# Altium PCB HIVE_BOARD.PcbDoc (part 7 of 9) (continued)
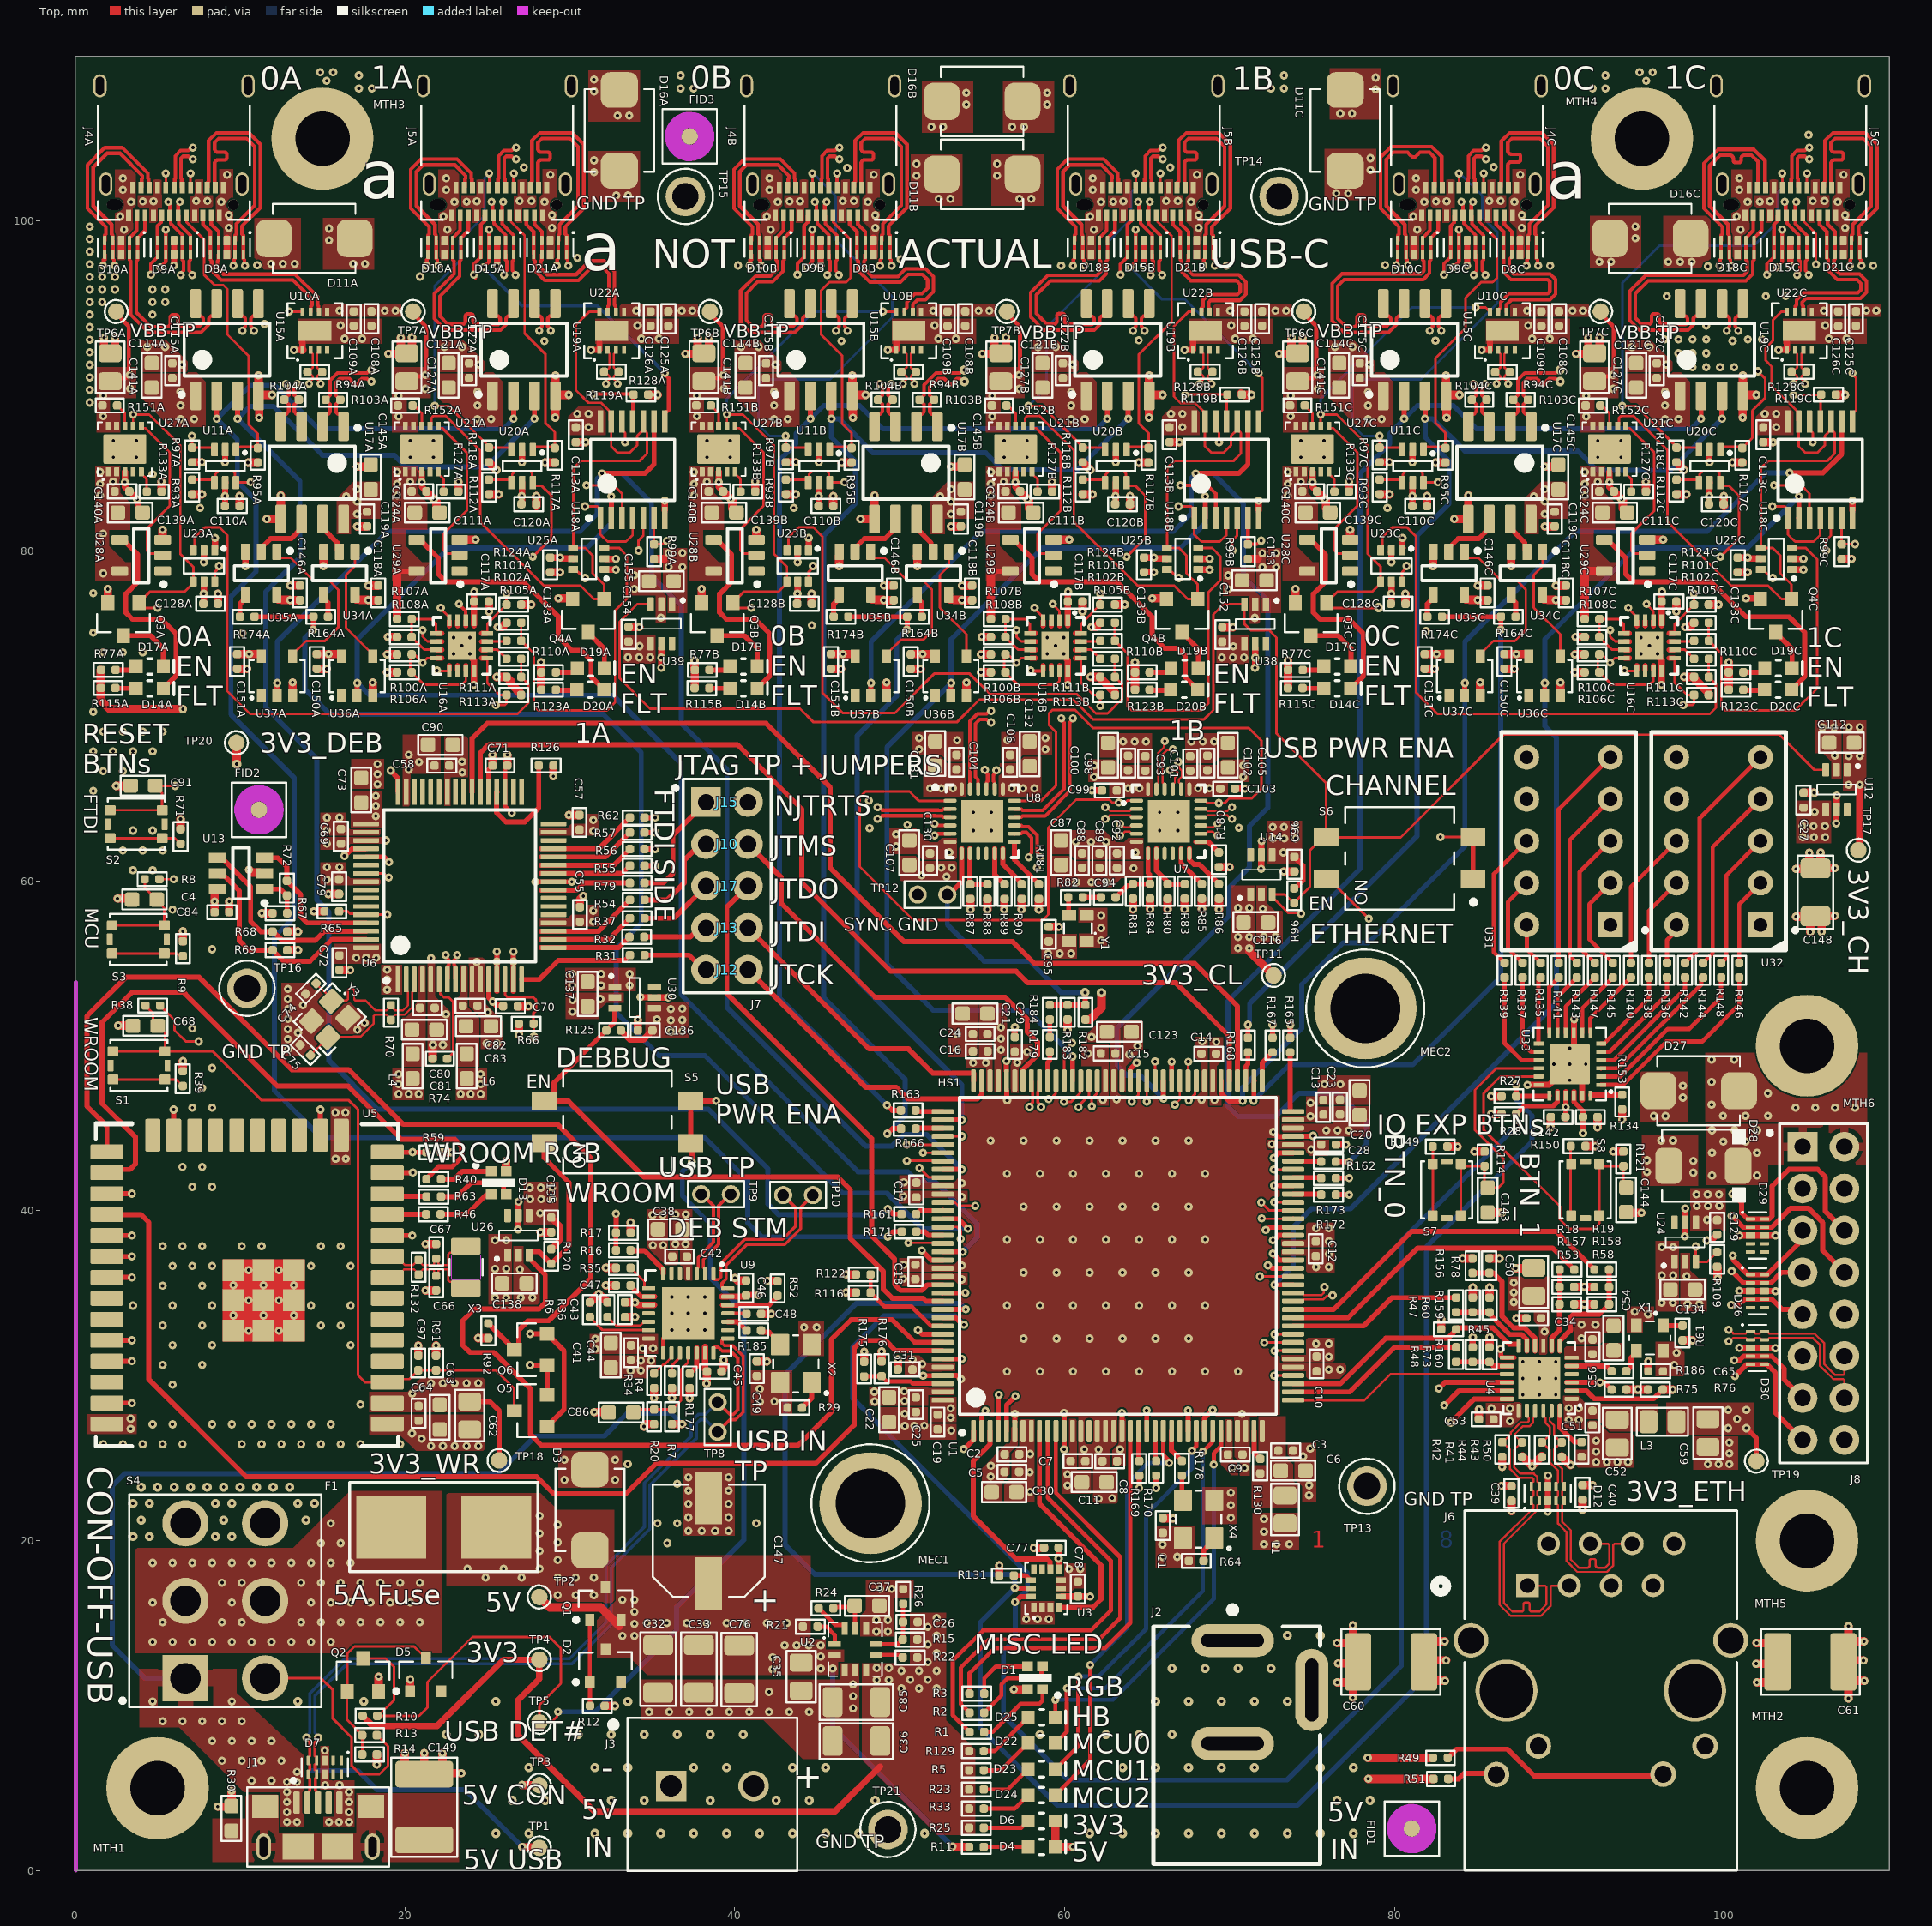
[diagram p0: Top view]
## Nets (pads, with @x,y where several pads share a name; then routed paths per layer and width w, separated by ;. In a path a pad name is that pad's centre, name@x,y a point inside that pad or via, vN(x,y) a via of type N, cw(c..) or ccw(c..) an arc to the next point about the centre after c; other vN are vias at no path point) (continued)
  Top w0.152: R35.2@33.684,36.54 34.517,35.707 34.517,35.35 34.566,35.302 U9.8@34.778,35.302
NetR36_2: R36.2 U9.12 | length 2.8
  Top w0.152: R36.2@32.276,33.558 32.801,33.033 34.266,33.033 34.503,33.27 U9.12@34.778,33.27
NetR37_2: R37.2 U6.18 | length 5.9
  Top w0.305: U6.18@28.242,56.452 U6.18@28.989,56.452 ; U6.18@29.001,56.452 32.35,56.452 R37.2@33.639,57.741
NetR38_2: R38.2 U1.2 | length 65.5
  Top w0.152: R38.2@5.156,52.439 6.034,51.561 6.034,50.945 6.716,50.263 v1(7.49,50.263)
  Top w0.305: U1.2@54.976,26.639 54.979,26.642 54.979,27.593 55.192,27.806 v1(55.192,27.873)
  Signal_1 w0.152: v1(7.49,50.263) 8.209,50.263 13.918,44.555 16.025,44.555 17.285,43.295 17.285,41.468 19.678,39.075 20.965,39.075 24.129,35.912 38.717,35.912 39.494,36.69 47.231,36.69 48.742,35.179 51.079,35.179 55.192,31.066 v1(55.192,27.873)
NetR39_2: R39.2 S1.1 S1.2 | length 4.4
  Top w0.152: S1.2@2.305,47.955 S1.1@5.455,47.955 6.139,47.955 R39.2@6.53,47.565
NetR45_1: R45.1 U1.39 U4.12 | length 15.5
  Top w0.305: U1.39@73.851,29.514 76.711,29.514 79.464,32.268 83.228,32.268 83.742,32.783 83.742,32.817 83.819,32.893 85.96,32.893 86.938,31.915 U4.12@87.492,31.915
NetR47_2: R47.2 U1.46 | length 10.6
  Top w0.305: U1.46@73.851,33.014 78.125,33.014 79.845,34.734 R47.2@83.721,34.734
NetR48_2: R48.2 U1.38 | length 11
  Top w0.305: U1.38@73.851,29.014 77.284,29.014 79.996,31.726 R48.2@83.721,31.726
NetR50_2: R50.2 U4.24 | length 3
  Top w0.305: U4.24@90.019,28.186 90.019,26.851 90.888,25.983 91.233,25.983 91.242,25.974 R50.2@91.335,25.974
NetR52_2: R52.2 U9.26 | length 3.6
  Top w0.305: U9.26@39.25,34.286 U9.26@39.579,34.286 42.081,34.286 42.494,34.699 42.494,34.746 R52.2@42.596,34.848
NetR54_2: R54.2 U6.19 | length 6.2
  Top w0.305: U6.19@28.242,56.952 U6.19@28.989,56.952 ; U6.19@29.001,56.952 31.74,56.952 31.862,57.074 R54.2@33.639,58.851
NetR55_1: R55.1 U5.16 | length 32.6
  Top w0.305: U5.16@14.877,44.579 v1@14.877,46.124 ; R55.1@34.524,60.922 v1(35.176,60.922)
  Signal_1 w0.152: v1(14.87,46.131) 14.87,46.168 20.828,52.127 20.828,58.946 22.804,60.922 v1(35.176,60.922)
NetR55_2: R55.2 U6.26 | length 5.6
  Top w0.305: U6.26@28.242,60.452 U6.26@28.989,60.452 ; U6.26@29.001,60.452 33.166,60.452 R55.2@33.635,60.922
NetR56_1: R56.1 R59.2 U5.14 | length 32.3
  Top w0.305: U5.14@18.932,43.579 18.964,43.546 R59.2@21.308,43.546 ; R59.2@21.311,43.546 R59.2@21.308,43.546 ; R59.2@21.311,43.55 R59.2@21.308,43.546 ; R56.1@34.524,61.933 v1(35.176,61.933)
  Signal_1 w0.152: v1(20.466,43.558) 21.511,44.602 24.745,44.602 28.487,48.344 28.487,55.824 29.674,57.011 33.804,57.011 35.799,59.007 35.799,61.31 v1(35.176,61.933)
NetR56_2: R56.2 U6.27 | length 5.8
  Top w0.305: U6.27@28.242,60.952 U6.27@28.989,60.952 ; U6.27@29.001,60.952 32.655,60.952 R56.2@33.635,61.933
NetR57_1: R57.1 U5.23 | length 43.2
  Top w0.305: U5.23@5.987,44.579 v1@5.987,46.124 ; R57.1@34.524,62.933 v1(35.176,62.933)
  Signal_1 w0.152: v1(5.98,46.131) 7.176,47.327 7.176,49.468 6.446,50.199 6.446,53.782 7.881,55.217 15.238,55.217 21.954,61.933 34.175,61.933 v1(35.176,62.933)
NetR57_2: R57.2 U6.28 | length 6
  Top w0.305: U6.28@28.242,61.452 U6.28@28.989,61.452 ; U6.28@29.001,61.452 32.154,61.452 R57.2@33.635,62.933
NetR61_2: R61.2 X1.1 | length 1.2
  Top w0.305: X1.1@96.272,33.011 96.284,33.023 97.446,33.023 R61.2@97.458,33.035
NetR62_1: R62.1 U5.13 | length 36.2
  Top w0.305: U5.13@18.925,42.302 U5.13@18.932,42.309 v1@20.477,42.309 ; R62.1@34.524,63.843 v1(35.176,63.843)
  Signal_1 w0.152: v1(20.484,42.316) 24.24,42.316 29.356,47.432 29.356,54.89 30.005,55.539 34.773,55.539 36.872,57.638 36.872,62.146 v1(35.176,63.843)
NetR62_2: R62.2 U6.29 | length 6.2
  Top w0.305: U6.29@28.242,61.952 U6.29@28.989,61.952 ; U6.29@29.001,61.952 31.745,61.952 R62.2@33.635,63.843
NetR65_1: R65.1 U1.127 U6.60 | length 61.6
  Top w0.152: R65.1@16.009,58.155 16.022,58.168 16.516,58.168 16.667,58.016 17.578,58.016 U6.60@17.641,57.952 17.646,57.957 18.933,57.957 v1(18.938,57.962)
  Top w0.305: v1(51.335,37.589) 51.907,37.017 52.599,37.017 U1.127@52.601,37.014
  Signal_1 w0.152: v1(18.938,57.962) 19.693,57.207 19.693,52.635 15.517,48.459 14.252,47.194 14.252,45.854 14.69,45.416 17.219,45.416 18.118,44.517 18.118,42.009 19.91,40.217 21.722,40.217 24.88,37.06 37.97,37.06 38.499,37.589 v1(51.335,37.589)
NetR67_1: R67.1 R72.2 U13.1 | length 2.6
  Top w0.305: U13.1@11.486,59.506 12.455,59.506 R72.2@12.844,59.116 12.853,59.107 12.853,58.05 R67.1@12.863,58.04
NetR71_2: R71.2 S2.1 S2.2 | length 4.4
  Top w0.152: S2.2@2.133,62.59 S2.1@5.283,62.59 6.056,62.59 R71.2@6.397,62.249
NetR74_2: R74.2 U6.6 | length 5.5
  Top w0.152: U6.6@22.071,54.022 22.133,53.961 22.133,53.166 22.358,52.941 22.649,52.941 22.936,52.654 22.936,49.59 R74.2@22.564,49.217
NetR79_2: R79.2 U6.24 | length 5.6
  Top w0.305: U6.24@28.254,59.44 U6.24@29.001,59.44 ; U6.24@29.014,59.44 29.715,59.44 30.408,59.44 30.847,59.879 R79.2@33.635,59.879
NetR80_1: R80.1 R83.2 U7.8 | length 3.4
  Top w0.305: U7.8@65.554,61.965 U7.8@65.554,61.663 65.554,60.624 R80.1@66.299,59.878 ; R80.1@66.238,59.817 66.242,59.812 67.268,59.812 R83.2@67.274,59.819
NetR82_2: R82.2 Y1.3 | length 1.1
  Top w0.305: R82.2@60.21,59.003 60.244,58.969 60.244,57.959 Y1.3@60.278,57.925
NetR85_1: R85.1 U7.11 | length 2.7
  Top w0.305: U7.11@67.054,61.965 U7.11@67.054,61.663 67.054,61.062 67.602,60.514 67.613,60.514 68.209,59.919 R85.1@68.311,59.817
NetR86_1: R86.1 U7.12 | length 3.1
  Top w0.305: U7.12@67.554,61.965 67.554,61.275 67.831,60.998 68.166,60.998 69.245,59.919 R86.1@69.347,59.817
NetR87_1: R87.1 R88.2 U8.8 | length 3.2
  Top w0.305: R87.1@54.254,59.802 U8.8@54.254,61.663 U8.8@54.254,61.965 ; R87.1@54.275,59.802 R87.1@54.275,59.802 R88.2@55.315,59.804 R88.2@55.315,59.804
NetR89_1: R89.1 U8.11 | length 2.4
  Top w0.305: U8.11@55.754,61.965 U8.11@55.754,61.663 55.754,60.393 56.243,59.903 R89.1@56.345,59.802
NetR90_1: R90.1 U8.12 | length 2.6
  Top w0.305: U8.12@56.254,61.965 56.254,61.015 57.28,59.989 57.28,59.903 R90.1@57.381,59.802
NetR100A_2: R100A.2 R106A.1 U16A.4 U16A.6 U16A.8 U16A.11 | length 13.7
  Top w0.152: v1(21.075,75.208) 21.075,74.81 21.366,74.519 21.881,74.519 U16A.6@21.894,74.506 ; U16A.8@21.894,73.506 21.353,73.506 v1(21.075,73.228) 20.57,73.733 R100A.2@20.412,73.733 20.32,73.641 20.32,72.739 R106A.1@20.41,72.649 21.177,71.882 23.444,71.882 23.694,72.131 U16A.11@23.694,72.706 ; v1(22.174,76.556) 22.174,76.511 22.694,75.991 U16A.4@22.694,75.806
  Signal_2 w0.152: v1(21.075,73.228) v1(21.075,75.208) 21.075,76.045 21.585,76.556 v1(22.174,76.556)
NetR100B_2: R100B.2 R106B.1 U16B.4 U16B.6 U16B.8 U16B.11 | length 13.7
  Top w0.152: v1(57.075,75.208) 57.075,74.81 57.366,74.519 57.881,74.519 U16B.6@57.894,74.506 ; U16B.8@57.894,73.506 57.353,73.506 v1(57.075,73.228) 56.57,73.733 R100B.2@56.412,73.733 56.32,73.641 56.32,72.739 R106B.1@56.41,72.649 57.177,71.882 59.444,71.882 59.694,72.131 U16B.11@59.694,72.706 ; v1(58.174,76.556) 58.174,76.511 58.694,75.991 U16B.4@58.694,75.806
  Signal_2 w0.152: v1(57.075,73.228) v1(57.075,75.208) 57.075,76.045 57.585,76.556 v1(58.174,76.556)
NetR100C_2: R100C.2 R106C.1 U16C.4 U16C.6 U16C.8 U16C.11 | length 13.7
  Top w0.152: v1(93.075,75.208) 93.075,74.81 93.366,74.519 93.881,74.519 U16C.6@93.894,74.506 ; U16C.8@93.894,73.506 93.353,73.506 93.075,73.228 92.57,73.733 R100C.2@92.412,73.733 92.32,73.641 92.32,72.739 R106C.1@92.41,72.649 93.177,71.882 95.444,71.882 95.694,72.131 U16C.11@95.694,72.706 ; v1(94.174,76.556) 94.174,76.511 94.694,75.991 U16C.4@94.694,75.806
  Signal_2 w0.152: v1(93.066,73.228) 93.066,75.199 v1(93.075,75.208) 93.075,76.045 93.585,76.556 v1(94.174,76.556)
NetR102A_1: R102A.1 U16A.15 | length 1.2
  Top w0.152: U16A.15@25.006,74.519 26.12,74.519 R102A.1@26.158,74.557
NetR102B_1: R102B.1 U16B.15 | length 1.2
  Top w0.152: U16B.15@61.006,74.519 62.12,74.519 R102B.1@62.158,74.557
NetR102C_1: R102C.1 U16C.15 | length 1.2
  Top w0.152: U16C.15@97.006,74.519 98.12,74.519 R102C.1@98.158,74.557
NetR105A_1: R105A.1 U16A.14 | length 1.4
  Top w0.152: U16A.14@25.003,74.016 25.604,74.016 R105A.1@26.158,73.461
NetR105B_1: R105B.1 U16B.14 | length 1.4
  Top w0.152: U16B.14@61.003,74.016 61.604,74.016 R105B.1@62.158,73.461
NetR105C_1: R105C.1 U16C.14 | length 1.4
  Top w0.152: U16C.14@97.003,74.016 97.604,74.016 R105C.1@98.158,73.461
NetR107A_2: R107A.2 R108A.2 U16A.5 U16A.7 | length 5.1
  Top w0.152: U16A.7@21.894,74.006 21.881,74.019 21.174,74.019 20.942,74.251 R108A.2@20.41,74.783 20.413,74.787 20.413,75.871 R107A.2@20.417,75.874 21.597,75.874 21.894,75.578 U16A.5@21.894,75.006
NetR107B_2: R107B.2 R108B.2 U16B.5 U16B.7 | length 5.1
  Top w0.152: U16B.7@57.894,74.006 57.881,74.019 57.174,74.019 56.942,74.251 R108B.2@56.41,74.783 56.413,74.787 56.413,75.871 R107B.2@56.417,75.874 57.597,75.874 57.894,75.578 U16B.5@57.894,75.006
NetR107C_2: R107C.2 R108C.2 U16C.5 U16C.7 | length 5.1
  Top w0.152: U16C.7@93.894,74.006 93.881,74.019 93.174,74.019 92.942,74.251 R108C.2@92.41,74.783 92.413,74.787 92.413,75.871 R107C.2@92.417,75.874 93.597,75.874 93.894,75.578 U16C.5@93.894,75.006
NetR116_2: R116.2 R122.1 U1.135 | length 6.3
  Top w0.254: R122.1@48.23,36.135 R116.2@48.23,35.043 49.073,34.2 50.712,34.2 51.875,33.037 52.578,33.037 U1.135@52.601,33.014
NetR126_1: R126.1 U6.36 | length 7
  Top w0.305: U6.36@25.571,65.382 25.559,65.37 25.559,64.669 25.552,64.662 25.552,64.146 26.122,63.576 27.261,63.576 28.11,64.426 R126.1@28.11,66.995
NetR127A_1: R127A.1 U21A.5 | length 1.3
  Top w0.152: U21A.5@22.023,84.797 22.023,84.682 22.351,84.354 R127A.1@22.351,83.604
NetR127B_1: R127B.1 U21B.5 | length 1.3
  Top w0.152: U21B.5@58.023,84.797 58.023,84.682 58.351,84.354 R127B.1@58.351,83.604
NetR127C_1: R127C.1 U21C.5 | length 1.3
  Top w0.152: U21C.5@94.023,84.797 94.023,84.682 94.351,84.354 R127C.1@94.351,83.604
NetR130_2: R130.2 U1.35 | length 1.8
  Top w0.305: U1.35@71.476,26.639 71.476,25.343 R130.2@71.854,24.965
NetR133A_1: R133A.1 U27A.5 | length 1.3
  Top w0.152: U27A.5@4.023,84.797 4.023,84.682 4.351,84.354 R133A.1@4.351,83.604
NetR133B_1: R133B.1 U27B.5 | length 1.2
  Top w0.152: U27B.5@40.023,84.682 40.351,84.354 R133B.1@40.351,83.604
NetR133C_1: R133C.1 U27C.5 | length 1.3
  Top w0.152: U27C.5@76.023,84.797 76.023,84.682 76.351,84.354 R133C.1@76.351,83.604
NetR135_2: R135.2 U31.10 | length 2.7
  Top w0.254: U31.10@88.008,57.33 88.008,55.872 R135.2@88.854,55.027
NetR136_2: R136.2 U32.10 | length 2.5
  Top w0.254: R136.2@96.517,55.027 96.517,56.403 97.104,56.99 U32.10@97.104,57.33
NetR137_2: R137.2 U31.9 | length 5.7
  Top w0.254: R137.2@87.759,55.027 86.865,55.92 86.865,58.727 U31.9@88.008,59.87
NetR138_2: R138.2 U32.9 | length 5.5
  Top w0.254: R138.2@95.423,55.027 95.423,58.188 U32.9@97.104,59.87
NetR139_2: R139.2 U31.8 | length 8.5
  Top w0.254: R139.2@86.664,55.027 86.025,55.666 86.025,60.427 U31.8@88.008,62.41
NetR140_2: R140.2 U32.8 | length 8.5
  Top w0.254: R140.2@94.328,55.027 94.328,59.634 U32.8@97.104,62.41
NetR141_2: R141.2 U31.5 | length 13.8
  Top w0.254: R141.2@89.949,55.027 89.949,64.35 U31.5@93.088,67.49
NetR142_2: R142.2 U32.5 | length 14.4
  Top w0.254: R142.2@97.612,55.027 98.501,55.915 98.501,63.807 U32.5@102.184,67.49
NetR143_2: R143.2 U31.4 | length 11.1
  Top w0.254: R143.2@91.043,55.027 90.609,55.461 90.609,62.471 U31.4@93.088,64.95
NetR144_2: R144.2 U32.4 | length 11.4
  Top w0.254: R144.2@98.707,55.027 99.289,55.609 99.289,62.055 U32.4@102.184,64.95
NetR145_2: R145.2 U31.2 | length 6
  Top w0.254: U31.2@93.088,59.87 91.804,58.585 91.804,56.456 R145.2@93.233,55.027
NetR146_2: R146.2 U32.2 | length 5.4
  Top w0.254: R146.2@100.897,55.027 100.897,58.583 U32.2@102.184,59.87
NetR147_2: R147.2 U31.3 | length 8.5
  Top w0.254: R147.2@92.138,55.027 91.216,55.948 91.216,60.538 U31.3@93.088,62.41
NetR148_2: R148.2 U32.3 | length 8.4
  Top w0.254: R148.2@99.802,55.027 100.11,55.334 100.11,60.335 U32.3@102.184,62.41
NetR149_2: R149.2 S7.1 S7.2 | length 4.2
  Top w0.152: S7.1@82.31,39.705 82.314,39.705 R149.2@82.314,43.897
NetR150_2: R150.2 S8.1 S8.2 | length 4.2
  Top w0.152: R150.2@90.679,43.922 90.679,39.727 S8.1@90.707,39.699
NetR151A_2: R151A.2 U27A.8 | length 1.5
  Top w0.152: R151A.2@2.553,88.824 3.023,88.354 U27A.8@3.023,87.567
NetR151B_2: R151B.2 U27B.8 | length 1.5
  Top w0.152: R151B.2@38.553,88.824 39.023,88.354 U27B.8@39.023,87.567
NetR151C_2: R151C.2 U27C.8 | length 1.5
  Top w0.152: R151C.2@74.553,88.824 75.023,88.354 U27C.8@75.023,87.567
NetR152A_2: R152A.2 U21A.8 | length 1.5
  Top w0.152: R152A.2@20.553,88.824 21.023,88.354 U21A.8@21.023,87.567
NetR152B_2: R152B.2 U21B.8 | length 1.5
  Top w0.152: R152B.2@56.553,88.824 57.023,88.354 U21B.8@57.023,87.567
NetR152C_2: R152C.2 U21C.8 | length 1.5
  Top w0.152: R152C.2@92.553,88.824 93.023,88.354 U21C.8@93.023,87.567
NetR153_1: R153.1 U33.24 | length 1.9
  Top w0.305: U33.24@91.898,47.01 R153.1@93.775,47.01
  Top w0.381: R153.1@93.775,47.01 R153.1@93.799,47.034
NetR161_2: R161.2 U1.121 | length 1.7
  Top w0.305: R161.2@50.993,39.799 51.206,40.012 52.599,40.012 U1.121@52.601,40.014
NetR162_2: R162.2 U1.66 | length 1.7
  Top w0.305: U1.66@73.851,43.014 73.867,42.999 75.527,42.999 R162.2@75.543,42.983
NetR163_1: R163.1 U1.109 | length 1.7
  Top w0.305: R163.1@50.956,46.086 51.025,46.017 52.599,46.017 U1.109@52.601,46.014
NetR164A_1: R164A.1 U34A.4 | length 1.5
  Top w0.305: U34A.4@15.073,77.358 15.073,77.133 15.337,76.868 R164A.1@15.337,76.016
NetR164B_1: R164B.1 U34B.4 | length 1.5
  Top w0.305: U34B.4@51.073,77.358 51.073,77.133 51.337,76.868 R164B.1@51.337,76.016
NetR164C_1: R164C.1 U34C.4 | length 1.5
  Top w0.305: U34C.4@87.073,77.358 87.073,77.133 87.337,76.868 R164C.1@87.337,76.016
NetR165_1: R165.1 U4.17 | length 41.2
  Top w0.305: R165.1@73.672,50.486 73.675,50.489 73.675,51.278 v1(73.678,51.281) ; v1(83.013,28.201) 83.903,29.091 U4.17@86.801,29.091 U4.17@87.123,29.091
  Signal_1 w0.152: v1(73.678,51.281) 73.678,47.469 69.731,43.521 69.731,31.789 73.319,28.201 v1(83.013,28.201)
NetR165_2: R165.2 U1.72 | length 3.8
  Top w0.305: R165.2@73.672,49.597 73.672,46.017 73.675,46.014 U1.72@73.851,46.014
NetR166_1: R166.1 U1.111 | length 1.6
  Top w0.305: R166.1@50.996,45.014 U1.111@52.601,45.014
NetR167_1: R167.1 U4.18 | length 44.1
  Top w0.305: R167.1@72.599,50.486 v1@72.599,51.275 ; v1(83.401,27.158) 84.834,28.591 U4.18@86.801,28.591 U4.18@87.123,28.591
  Signal_1 w0.152: v1(72.602,51.278) 72.602,47.164 67.972,42.534 67.972,31.46 72.274,27.158 v1(83.401,27.158)
NetR167_2: R167.2 U1.73 | length 2
  Top w0.305: U1.73@71.976,47.889 71.976,48.975 R167.2@72.599,49.597
NetR168_2: R168.2 U1.75 | length 1.8
  Top w0.305: U1.75@70.976,47.889 70.979,47.892 70.979,48.757 71.108,48.886 R168.2@71.108,49.597
NetR169_1: R169.1 U5.30 | length 76.9
  Top w0.305: U5.30@1.932,37.229 v1(3.448,37.229) ; v1(64.51,23.195) 64.513,23.198 64.513,23.937 R169.1@64.516,23.939
  Signal_1 w0.152: v1(3.448,37.229) 2.928,36.709 2.928,33.987 7.442,29.473 15.412,29.473 20.562,24.323 33.041,24.323 34.316,23.047 34.316,20.382 35.778,18.92 53.565,18.92 56.453,21.809 63.123,21.809 v1(64.51,23.195)
NetR169_2: R169.2 U1.21 | length 1.8
  Top w0.305: U1.21@64.476,26.639 64.479,26.637 64.479,24.866 R169.2@64.516,24.828
NetR170_1: R170.1 U5.37 | length 70.5
  Top w0.305: U5.37@1.932,28.339 v1(3.448,28.339) ; v1@65.54,23.209 R170.1@65.54,23.948
  Signal_1 w0.152: v1(3.448,28.339) 15.477,28.339 20.204,23.612 28.541,23.612 33.863,18.29 54.44,18.29 57.218,21.068 63.399,21.068 v1(65.537,23.206)
NetR170_2: R170.2 U1.23 | length 1.8
  Top w0.305: U1.23@65.476,26.639 65.476,24.9 R170.2@65.54,24.837
NetR171_1: R171.1 U1.124 | length 1.7
  Top w0.305: R171.1@51.003,38.735 51.515,38.735 51.733,38.517 52.599,38.517 U1.124@52.601,38.514
NetR172_1: R172.1 U1.62 | length 1.7
  Top w0.305: U1.62@73.851,41.014 73.854,41.012 75.52,41.012 R172.1@75.552,40.98
NetR173_1: R173.1 U1.64 | length 1.7
  Top w0.305: U1.64@73.851,42.014 73.854,42.012 75.527,42.012 R173.1@75.552,41.986
NetR174A_1: R174A.1 U35A.4 | length 1.5
  Top w0.305: R174A.1@9.99,76.016 9.99,76.789 10.334,77.133 U35A.4@10.334,77.358
NetR174B_1: R174B.1 U35B.4 | length 1.5
  Top w0.305: R174B.1@45.99,76.016 45.99,76.789 46.334,77.133 U35B.4@46.334,77.358
NetR174C_1: R174C.1 U35C.4 | length 1.5
  Top w0.305: R174C.1@81.99,76.016 81.99,76.789 82.334,77.133 U35C.4@82.334,77.358
NetR175_1: R175.1 R176.1 U1.142 | length 5
  Top w0.254: R175.1@47.838,29.955 47.849,29.967 R176.1@48.899,29.967 ; R176.1@48.893,29.972 R176.1@48.899,29.967 ; R176.1@48.979,29.967 R176.1@48.899,29.967 ; U1.142@52.601,29.514 52.592,29.523 50.792,29.523 50.673,29.642 49.224,29.642 R176.1@48.899,29.967
NetR177_2: R177.2 U9.19 | length 1.7
  Top w0.305: R177.2@37.266,30.132 37.687,30.553 U9.19@37.687,31.377 U9.19@37.687,31.706
NetR178_1: R178.1 X4.3 | length 1.5
  Top w0.305: R178.1@67.101,23.948 67.101,22.522 X4.3@67.163,22.46
NetR178_2: R178.2 U1.25 | length 2.1
  Top w0.305: U1.25@66.476,26.639 66.476,25.462 R178.2@67.101,24.837
NetR179_1: R179.1 R184.2 | length 1.1
  Top w0.305: R179.1@59.101,50.527 R184.2@59.101,51.593
NetR179_2: R179.2 U1.99 | length 1.8
  Top w0.305: U1.99@58.976,47.889 58.976,48.99 59.101,49.115 R179.2@59.101,49.638
NetR180_1: R180.1 U7.13 | length 1.7
  Top w0.305: U7.13@67.952,62.363 U7.13@68.254,62.363 68.709,62.363 R180.1@69.347,61.725
NetR181_1: R181.1 U8.13 | length 3.2
  Top w0.305: U8.13@56.954,62.363 56.954,61.285 R181.1@58.438,59.802
NetR182_1: R182.1 R183.2 R184.1 TP12.1 U8.7 | length 18
  Top w0.305: TP12.1@52.882,59.171 52.973,59.171 53.754,59.952 U8.7@53.754,61.965 ; R184.1@59.101,52.482 R182.1@61.258,52.482 61.247,52.494 61.247,53.226 v2(61.235,53.237)
  Bottom w0.305: TP12.1@52.882,59.171 52.882,57.355 55.117,55.121 57.89,55.121 59.774,53.237 v2(61.235,53.237)
NetR185_1: R185.1 X2.3 | length 1.6
  Top w0.305: R185.1@41.595,32.741 41.697,32.639 42.088,32.639 42.751,31.976 X2.3@42.751,31.876
NetR185_2: R185.2 U9.24 | length 1.3
  Top w0.305: U9.24@39.579,33.27 40.177,33.27 R185.2@40.706,32.741
NetR186_1: R186.1 U4.5 | length 2.9
  Top w0.305: U4.5@90.425,30.591 U4.5@90.738,30.591 92.842,30.591 R186.1@93.156,30.277
NetR186_2: R186.2 X1.3 | length 1.5
  Top w0.305: R186.2@94.045,30.277 94.147,30.378 94.159,30.378 94.337,30.557 94.337,31.092 94.654,31.408 X1.3@94.654,31.508
NetU1_1: U1.1 U5.10 | length 47.9
  Top w0.305: U5.10@18.932,38.499 v1(20.448,38.499) ; v1(53.875,25.548) 53.905,25.548 54.476,26.119 U1.1@54.476,26.639
  Signal_1 w0.152: v1(20.448,38.499) 20.448,37.993 24.532,33.908 31.963,33.908 33.669,32.203 42.086,32.203 44.213,34.33 51.213,34.33 54.619,30.923 54.619,26.291 v1(53.875,25.548)
NetU1_22: U1.22 U5.31 | length 73.9
  Top w0.305: U5.31@1.932,35.959 v1(3.448,35.959) ; U1.22@64.974,26.642 v1@64.974,27.881
  Signal_1 w0.152: v1(3.448,35.959) 8.936,30.471 15.718,30.471 20.955,25.234 26.587,25.234 27.157,25.805 33.185,25.805 34.339,24.651 43.119,24.651 44.164,25.696 50.797,25.696 53.357,23.136 55.788,23.136 57.247,24.596 63.322,24.596 64.967,26.24 v1(64.967,27.888)
NetU1_29: U1.29 U4.13 | length 24.7
  Top w0.305: U1.29@68.474,26.642 U1.29@68.476,26.639 68.479,26.642 68.479,27.442 68.951,27.915 v1(68.961,27.915) ; v1(86.411,31.623) 86.448,31.586 86.448,31.199 86.556,31.091 87.232,31.091
  Signal_1 w0.152: v1(68.961,27.915) 70.724,26.152 83.434,26.152 84.315,27.033 84.315,29.528 v1(86.411,31.623)
NetU1_67: U1.67 U4.16 | length 30.1
  Top w0.305: v1(72.669,43.205) 72.976,43.512 73.849,43.512 U1.67@73.851,43.514 ; v1(82.681,29.224) 83.047,29.591 U4.16@86.801,29.591 U4.16@87.123,29.591
  Signal_1 w0.152: v1(72.669,43.205) 71.241,41.777 71.241,32.265 74.282,29.224 v1(82.681,29.224)
NetU1_76: U1.76 U6.39 | length 64.5
  Top w0.305: U6.39@24.071,65.382 24.071,68.634 24.991,69.554 41.895,69.554 45.789,65.66 45.789,60.785 50.26,56.314 56.845,56.314 58.164,54.996 67.885,54.996 70.476,52.404 U1.76@70.476,47.889
NetU1_77: U1.77 U6.38 | length 60.6
  Top w0.305: U6.38@24.571,65.382 24.571,67.755 25.075,68.259 40.158,68.259 44.062,64.355 44.062,59.909 49.44,54.531 57.05,54.531 57.764,53.817 66.741,53.817 69.976,50.582 U1.77@69.976,47.889
NetU1_136: U1.136 U5.29 | length 57.6
  Top w0.305: U5.29@1.932,38.499 v1(3.448,38.499) ; v1(51.103,32.769) 51.358,32.514 U1.136@52.601,32.514
  Signal_1 w0.152: v1(3.448,38.499) 11.335,38.499 19.042,30.792 19.042,29.666 20.484,28.225 34.023,28.225 36.103,30.304 45.694,30.304 48.159,32.769 v1(51.103,32.769)
NetU1_138: U1.138 U5.28 | length 70.1
  Top w0.305: U5.28@1.932,39.769 4.001,39.769 4.478,39.291 4.478,29.775 10.372,23.882 27.983,23.882 29.027,22.838 33.387,22.838 35.245,24.696 44.919,24.696 47.222,26.999 47.222,31.652 47.704,32.134 49.137,32.134 49.756,31.514 U1.138@52.601,31.514
NetU1_139: U1.139 U5.27 | length 60.3
  Top w0.305: U5.27@1.932,41.039 v1(3.448,41.039) ; U1.139@52.606,31.019 v1@53.772,31.019
  Signal_1 w0.152: v1(3.448,41.039) 3.932,40.555 11.317,40.555 21.286,30.586 25.536,30.586 26.445,29.677 34.39,29.677 36.164,31.451 45.05,31.451 47.013,33.413 51.372,33.413 v1(53.772,31.013)
NetU5_34: U5.34 U6.48 | length 62.5
  Top w0.305: U5.34@1.932,32.149 v1(3.448,32.149) ; v1@19.138,66.666 19.559,66.245 U6.48@19.559,65.395
  Signal_1 w0.152: v1(3.448,32.149) 4.235,31.362 4.235,30.016 3.654,29.436 2.937,29.436 0.781,31.591 0.781,63.221 5.145,67.585 18.75,67.585 19.138,67.197 v1(19.138,66.692)
NetU5_35: U5.35 U6.52 | length 55.1
  Top w0.305: U5.35@1.932,30.879 v1(3.448,30.879) ; v1(16.332,61.519) 16.358,61.519 16.779,61.94 U6.52@17.629,61.94
  Signal_1 w0.152: v1(3.448,30.879) 1.88,32.447 1.88,63.005 3.87,64.996 16.324,64.996 17.098,64.221 17.098,62.285 v1(16.332,61.519)
PHY_LED_1: J6.10 R75.2 U4.3 | length 72.6
  Top w0.305: U4.3@90.425,29.591 U4.3@90.738,29.591 92.723,29.591 R75.2@93.154,29.159
  Signal_2 w0.305: J6.10@88.715,7.544 96.373,7.544 98.775,5.142 98.775,3.301 101.275,0.801 107.703,0.801 109.193,2.291 109.193,23.174 107.664,24.703 102.324,24.703 100.998,23.377 98.81,23.377 98.042,24.145 98.042,29.378 97.507,29.913 92.778,29.913 v1(92.456,29.591)
PHY_LED_2: J6.12 R76.2 U4.2 | length 59.6
  Top w0.305: U4.2@90.425,29.091 U4.2@90.738,29.091 91.62,29.091 92.11,28.6 95.701,28.6 R76.2@96.254,29.154
  Top w0.508: R76.2@96.254,29.154 v1@96.868,29.154
  Signal_2 w0.305: v1@96.864,29.208 96.864,24.503 98.569,22.797 101.239,22.797 102.07,23.629 107.078,23.629 108.476,22.231 108.476,16.936 106.749,15.209 106.749,8.675 108.458,6.966 108.458,2.903 107.147,1.593 102.437,1.593 100.627,3.403 100.627,5.741 J6.12@98.825,7.544
  other v1: 96.868,29.149
PHY_nRST: U1.37 U4.15 | length 13.6
  Top w0.152: U1.37@73.851,28.514 78.172,28.514 79.748,30.091 U4.15@86.801,30.091
PHY_REFCLK: R48.1 R73.1 R160.2 U4.14 | length 3.5
  Top w0.305: R48.1@83.721,30.837 83.726,30.833 85.748,30.833 R160.2@85.752,30.829 85.99,30.591 U4.14@86.801,30.591 U4.14@87.123,30.591
PHYAD0: R78.2 R156.1 U4.10 | length 7.4
  Top w0.305: R156.1@84.725,36.223 84.728,36.226 R78.2@85.735,36.226 ; R78.2@85.738,36.228 R78.2@85.735,36.226 ; U4.10@88.519,31.496 U4.10@88.519,31.809 88.519,32.263 87.877,32.905 87.212,32.905 86.504,33.612 86.504,35.712 85.991,36.226 R78.2@85.735,36.226
SHIELD_USB: C149.2 J1.6 J1.7 J1.8 J1.9 J1.10 J1.11 R30.2
SPI_CLK_A: R171.2 U15A.2 U19A.2 | length 110.8
  Top w0.305: U15A.2@8.581,89.402 8.583,89.4 8.583,88.016 v1(8.585,88.014) ; U19A.2@26.581,89.402 U19A.2@26.581,89.402 26.583,88.016 v1(26.585,88.014) ; v1(49.274,38.424) v1@49.283,38.424 ; v1@49.332,38.424 v1@49.283,38.424 ; R171.2@50.114,38.735 50.112,38.733 49.591,38.733 v1@49.283,38.424
  Bottom w0.305: v1(26.585,88.014) 25.98,87.409 14.751,87.409 12.119,90.041 10.612,90.041 v1(8.585,88.014) 9.838,86.761 9.838,84.219 10.966,83.09 10.966,78.751 9.449,77.235 9.449,70.09 13.295,66.245 13.295,57.815 12.088,56.609 12.088,47.272 14.934,44.426 38.188,44.426 40.781,41.833 40.781,39.266 41.444,38.603 41.623,38.424 v1(49.274,38.424)
SPI_CLK_B: R163.2 U15B.2 U19B.2 | length 68.1
  Top w0.305: U15B.2@44.581,89.402 44.583,89.4 44.583,88.016 v1(44.585,88.014) ; v1(49.227,46.397) v1@49.235,46.397 ; v1@49.284,46.397 v1@49.235,46.397 ; R163.2@50.067,46.086 50.065,46.088 49.544,46.088 v1@49.235,46.397 ; U19B.2@62.581,89.402 62.583,89.4 62.583,88.016 v1(62.585,88.014)
  Bottom w0.305: v1(49.227,46.397) 42.711,52.913 42.711,85.498 43.713,86.499 43.713,87.122 44.585,87.994 v1(44.585,88.014) 45.388,88.817 47.553,88.817 48.962,87.409 61.98,87.409 v1(62.585,88.014)
SPI_CLK_C: R162.1 U15C.2 U19C.2 | length 81.7
  Top w0.305: R162.1@76.439,42.983 77.234,42.983 v1(77.243,42.974) ; U15C.2@80.581,89.402 U15C.2@80.581,89.402 80.583,88.016 v1(80.585,88.014) ; U19C.2@98.581,89.402 98.583,89.4 98.583,88.016 v1(98.585,88.014)
  Bottom w0.305: v1(77.243,42.974) 78.28,44.011 78.28,45.454 76.617,47.117 74.206,47.117 72.802,45.713 70.514,45.713 69.899,46.328 69.899,52.725 77.906,60.731 77.906,84.692 79.713,86.499 79.713,87.122 80.585,87.994 v1(80.585,88.014) 81.388,88.817 83.553,88.817 84.962,87.409 97.98,87.409 v1(98.585,88.014)
SPI_CS_0A: U34A.1 U36A.4 | length 7.2
  Top w0.152: U34A.1@16.973,79.958 16.973,79.092 16.434,78.553 16.434,75.351 18.044,73.74 U36A.4@18.044,73.615
SPI_CS_0B: U34B.1 U36B.4 | length 7.2
  Top w0.152: U34B.1@52.973,79.958 52.973,79.092 52.434,78.553 52.434,76.564 54.044,74.954 54.044,73.74 U36B.4@54.044,73.615
SPI_CS_0C: U34C.1 U36C.4 | length 7.2
  Top w0.152: U34C.1@88.973,79.958 88.973,79.092 88.434,78.553 88.434,76.564 90.044,74.954 90.044,73.74 U36C.4@90.044,73.615
SPI_CS_1A: U35A.1 U37A.4 | length 10.6
  Top w0.152: U35A.1@12.234,79.958 12.234,79.788 12.432,79.589 13.073,79.589 14.455,78.207 15.413,78.207 15.951,77.67 15.951,75.362 15.14,74.55 14.003,74.55 13.193,73.74 U37A.4@13.193,73.615
SPI_CS_1B: U35B.1 U37B.4 | length 10.8
  Top w0.152: U35B.1@48.234,79.958 48.234,79.788 48.432,79.589 49.073,79.589 50.455,78.207 51.413,78.207 51.951,77.67 51.951,75.145 51.432,74.626 50.079,74.626 49.392,73.939 49.193,73.74 U37B.4@49.193,73.615
SPI_CS_1C: U35C.1 U37C.4 | length 10.7
  Top w0.152: U35C.1@84.234,79.958 84.234,79.788 84.432,79.589 85.073,79.589 86.455,78.207 87.413,78.207 87.951,77.67 87.951,75.206 87.283,74.538 85.99,74.538 85.392,73.939 85.193,73.74 U37C.4@85.193,73.615
SPI_MISO_0A: U17A.7 U34A.2 | length 2.4
  Top w0.305: U17A.7@15.01,81.942 15.01,81.392 15.9,80.501 15.9,80.08 U34A.2@16.023,79.958
SPI_MISO_0B: U17B.7 U34B.2 | length 2.4
  Top w0.305: U17B.7@51.01,81.942 51.01,81.392 51.9,80.501 51.9,80.08 U34B.2@52.023,79.958
SPI_MISO_0C: U17C.7 U34C.2 | length 2.4
  Top w0.305: U17C.7@87.01,81.942 87.01,81.392 87.9,80.501 87.9,80.08 U34C.2@88.023,79.958
SPI_MISO_1A: U17A.6 U35A.2 | length 3.7
  Top w0.305: U35A.2@11.284,79.958 11.284,80.183 11.859,80.757 13.106,80.757 13.74,81.392 U17A.6@13.74,81.942
SPI_MISO_1B: U17B.6 U35B.2 | length 3.7
  Top w0.305: U35B.2@47.284,79.958 47.284,80.183 47.859,80.757 49.106,80.757 49.74,81.392 U17B.6@49.74,81.942
SPI_MISO_1C: U17C.6 U35C.2 | length 3.7
  Top w0.305: U35C.2@83.284,79.958 83.284,80.183 83.859,80.757 85.106,80.757 85.74,81.392 U17C.6@85.74,81.942
SPI_MISO_A: R164A.2 R174A.2 U1.122 | length 75.1
  Top w0.305: R174A.2@10.879,76.016 R164A.2@14.448,76.016 14.448,75.233 v1(14.43,75.233) ; U1.122@52.601,39.514 53.546,39.514 v1(54.142,38.918)
  Bottom w0.305: v1(14.43,75.233) 13.934,74.737 13.934,71.616 15.454,70.097 32.02,70.097 34.328,67.789 34.328,57.434 32.801,55.908 32.801,52.022 35.412,49.411 38.185,49.411 46.517,41.079 49.213,41.079 51.374,38.918 v1(54.142,38.918)
SPI_MISO_B: R164B.2 R174B.2 U1.110 | length 39.1
  Top w0.305: R174B.2@46.879,76.016 R164B.2@50.448,76.016 50.448,75.233 v1(50.43,75.233) ; U1.110@52.601,45.514 52.604,45.512 53.76,45.512 v1(53.768,45.504)
  Bottom w0.305: v1(50.43,75.233) 49.81,74.613 49.81,71.197 47.422,68.809 47.422,53.974 53.768,47.628 v1(53.768,45.504)